# Altium PCB ALCT_MEZ_LX100.PcbDoc (part 3 of 10) (continued)
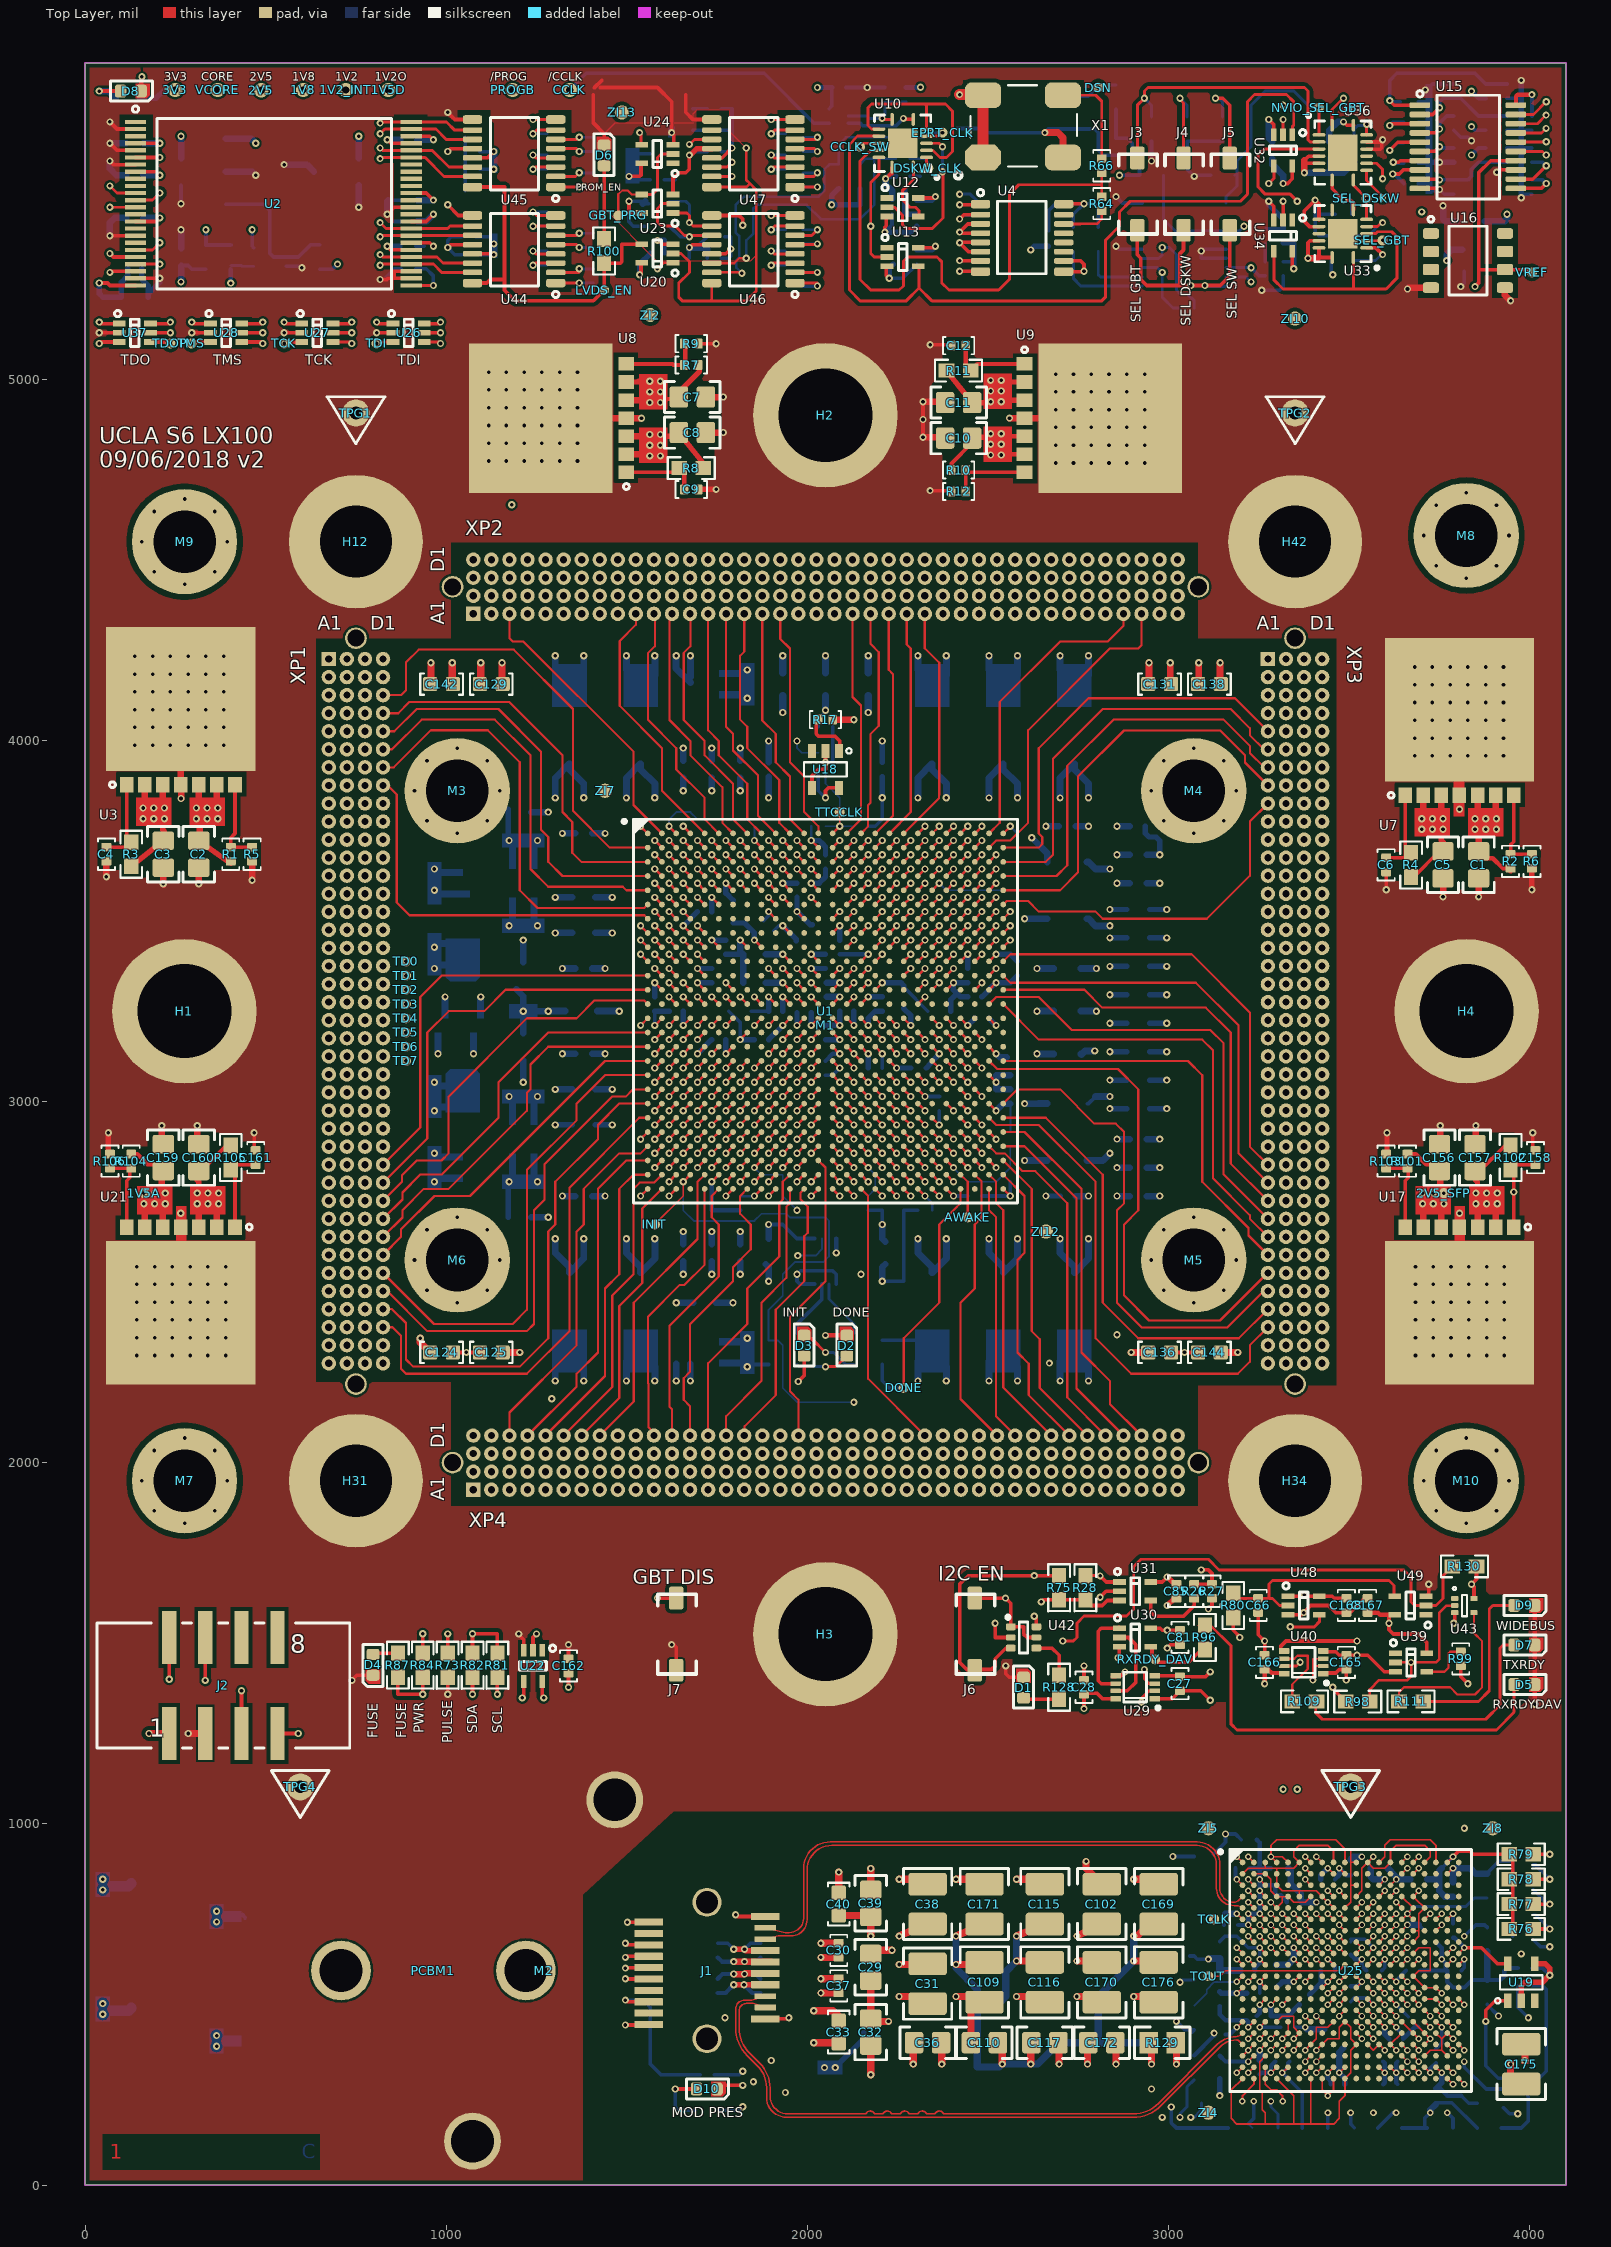
[diagram p0: Top Layer view]
## Nets (pads, with @x,y where several pads share a name; then routed paths per layer and width w, separated by ;. In a path a pad name is that pad's centre, name@x,y a point inside that pad or via, vN(x,y) a via of type N, cw(c..) or ccw(c..) an arc to the next point about the centre after c; other vN are vias at no path point) (continued)
  Top Layer w18: U21.6@165.16,2652.17 v1@165.16,2718.9 ; C159.1@212.21,2807.28 212.21,2752.36 v1@215.16,2749.41 ; U21.5@215.16,2652.17 215.16,2726.57
  Top Layer w20: v1(2746.06,521.85) C170.1@2820.87,521.85 ; v1(3021.65,334.84) R129.1@3021.65,409.65
  Mid-Layer 4 w15: v1(222.05,2746.26) 290.95,2815.16 473.76,2815.16 580.71,2922.11 580.71,4252.13 580.71,4399.77 521.65,4458.82 521.65,4695.04 580.71,4754.1 925.2,4754.1 994.09,4685.2 1614.17,4685.2 1696.23,4767.26 1696.23,5282.28 1614.17,5364.34 1614.17,5482.45 1584.65,5511.97 1584.65,5708.86 1634.67,5758.89 1947.74,5758.89 1968.24,5738.39 2066.93,5738.39 2125.98,5679.33 2263.78,5679.33 2303.15,5718.7 2549.21,5718.7 2618.11,5649.8 2716.54,5649.8 2755.91,5689.17 3415.35,5689.17 3464.57,5738.39 3651.58,5738.39 3671.26,5718.7 3671.26,5590.75 3648.26,5567.75 v1(3620.37,5567.75)
  Mid-Layer 8 w50: v1(2746.06,521.85) 2834.65,521.85 v1(3021.65,334.84)
  Bottom Layer w10: v1(3620.37,5567.75) 3625.36,5567.75 C163.1@3651.58,5541.54
  Bottom Layer w15: v1(2076.77,325) 2155.51,403.74 L4.2@2155.51,421.46
  other v1: 2047.24,325 162.99,2716.73 192.52,2716.73 222.05,2716.73 162.99,2746.26 192.52,2746.26
+1V8: 1V8.1 C7.1 C16.1 C53.1 C54.1 C55.1 C56.1 R7.1 U2.4 U2.15 U2.34 U8.5 U8.6 U15.4 | length 4799.1
  Top Layer w10: U2.15@139.76,5436.42 196.85,5436.42 v1(206.69,5446.26) ; U2.4@139.76,5652.95 v1(206.69,5652.95) ; U2.34@903.54,5436.42 944.88,5436.42 v1(964.57,5456.1) ; U15.4@3695.87,5681.5 3739.17,5681.5 v1(3750,5692.32)
  Top Layer w12: 1609.65,4941.93 1612.6,4944.88 C7.1@1644.09,4944.88
  Top Layer w15: U8.6@1498.82,4991.93 1530.71,4991.93 1532.87,4994.09 v1(1563.39,4994.09) ; 1540.55,4941.93 1547.44,4935.04 v1(1563.39,4935.04) ; C7.1@1644.09,4950.39 1644.09,4964.31 1701.18,5021.4 R7.1@1701.18,5030.67
  Top Layer w18: U8.5@1498.82,4941.93 1540.55,4941.93
  Mid-Layer 4 w20: v4(603.54,5800.39) 639.96,5836.81 3759.84,5836.81 3789.37,5807.28 3789.37,5692.32 v1(3750,5692.32)
  Mid-Layer 6 w18: v4(603.54,5800.39) 603.54,5695.87 626.77,5672.64 v1(757.87,5672.64) 757.87,5571.06 807.09,5521.85 866.14,5521.85 931.89,5456.1 v1(964.57,5456.1)
  Bottom Layer w10: v1(3750,5692.32) 3750,5708.86 3769.69,5728.54 C16.1@3789.37,5728.54
  Bottom Layer w18: C55.1@161.42,5446.26 v1(206.69,5446.26) ; C53.1@161.42,5652.95 v1(206.69,5652.95) ; C56.1@757.87,5611.61 v1(757.87,5672.64) ; C54.1@919.29,5436.42 944.88,5436.42 v1(964.57,5456.1)
  other v1: 1592.91,4935.04 1563.39,4964.57 1592.91,4964.57 1592.91,4994.09
+2V5: 2V5.1 C2.1 C57.1 C58.1 C261.1 C262.1 C263.1 C264.1 C265.1 C266.1 C267.1 C361.1 C362.1 C363.1 C364.1 C365.1 C461.1 R1.1 R14.1 U1.AA6 U1.AA10 U1.AA16 U1.AA21 U1.F6 U1.F21 U1.G12 U1.G15 U1.J9 U1.J18 U1.K13 U1.L5 U1.L22 U1.M17 U1.N10 U1.U6 U1.U14 U1.V9 U1.Y19 U2.24 U3.5 U3.6 U26.6 U27.6 U28.6 U37.1 U37.5 | length 2129.5
  Top Layer w7: v1(1695.67,3368.11) U1.L5@1715.35,3348.42 ; v1(1735.04,2935.04) U1.AA6@1754.72,2954.72 ; v1(1735.04,3092.52) U1.U6@1754.72,3112.2 ; v1(1735.04,3564.96) U1.F6@1754.72,3545.28 ; v1(1853.15,3053.15) U1.V9@1872.83,3072.83 ; v1(1853.15,3446.85) U1.J9@1872.83,3427.16 ; v1(1892.52,2935.04) U1.AA10@1912.2,2954.72 ; v1(1892.52,3289.37) U1.N10@1912.2,3269.68 ; v1(1971.26,3525.59) U1.G12@1990.94,3505.91 ; v1(2010.63,3407.48) U1.K13@2030.31,3387.79 ; U1.U14@2069.68,3112.2 v1(2089.37,3092.52) ; U1.G15@2109.05,3505.91 v1(2128.74,3525.59) ; U1.AA16@2148.43,2954.72 v1(2168.11,2935.04) ; U1.M17@2187.8,3309.05 v1(2207.48,3328.74) ; U1.J18@2227.17,3427.16 v1(2246.85,3446.85) ; U1.Y19@2266.54,2994.09 v1(2286.22,2974.41) ; U1.AA21@2345.28,2954.72 v1(2364.96,2935.04) ; U1.F21@2345.28,3545.28 v1(2364.96,3564.96) ; U1.L22@2384.65,3348.42 v1(2404.33,3368.11)
  Top Layer w10: v1(39.37,5157.68) 43.31,5153.74 U37.1@94.49,5153.74 ; v1(39.37,5265.94) 62.2,5265.94 68.9,5259.25 U2.24@139.76,5259.25 ; U37.5@181.1,5128.15 v1(236.22,5128.15) ; U28.6@433.73,5153.74 488.19,5153.74 v1(492.13,5157.68) ; U27.6@686.35,5153.74 734.25,5153.74 v1(738.19,5157.68) ; U26.6@938.98,5153.74 980.32,5153.74 v1(984.25,5157.68)
  Top Layer w12: v1@315.16,3782.87 315.16,3766.14 318.11,3763.19 ; 315.16,3802.56 357.48,3802.56 v1@365.16,3810.24 ; R1.1@403.54,3668.7 R1.1@406.69,3668.7
  Top Layer w15: C2.1@318.11,3721.85 C2.1@314.96,3721.85 400.75,3660.84 R1.1@403.54,3658.86
  Top Layer w18: v1@315.16,3812.4 U3.5@315.16,3876.97 ; C2.1@318.11,3721.85 318.11,3763.19 ; v1@365.16,3810.24 U3.6@365.16,3876.97
  Bottom Layer w10: C363.1@1845.28,3250 C264.1@1892.52,3250 ; C267.1@2050,3072.83 2069.69,3072.83 v1@2089.37,3092.52 ; C362.1@2266.54,3320.87 2266.54,3316.93 C364.1@2333.46,3250 ; v1(2364.96,2935.04) C265.1@2364.96,2974.41 ; v1(3838.58,5699.02) 3848.43,5689.17 R14.1@3877.95,5689.17
  Bottom Layer w15: v1(39.37,5265.94) 39.37,5236.42 49.21,5226.57 C58.1@100.39,5226.57 100.39,5267.91 118.11,5285.63 C57.1@118.11,5305.32 ; v1(1695.67,3368.11) C262.1@1735.04,3368.11 ; C263.1@1735.04,3525.59 v1(1735.04,3564.96) ; C361.1@1794.09,3494.09 1825.59,3494.09 1853.15,3466.54 v1(1853.15,3446.85) ; C264.1@1892.52,3250 v1(1892.52,3289.37) ; C266.1@1971.26,3564.96 v1(1971.26,3525.59) 2008.04,3488.81 C365.1@2013.22,3488.81 ; v1(2010.63,3407.48) C261.1@2050,3407.48 ; v1(2207.48,3328.74) 2258.66,3328.74 C362.1@2266.54,3320.87
  other v1: 1174.02,3486.22 1252.76,3486.22 308.27,3782.87 337.8,3782.87 367.32,3782.87 308.27,3812.4 337.8,3812.4 367.32,3812.4
  other v4: 488.15,5799.49
+2V5/2: C14.1 R14.2 R16.1 U15.2 | length 289.9
  Top Layer w10: U15.2@3695.87,5732.68 3731.3,5732.68 v1(3750,5751.38)
  Bottom Layer w10: v1(3750,5751.38) 3750,5767.91 3759.84,5777.76 C14.1@3789.37,5777.76 3809.06,5777.76 3858.27,5728.54 R14.2@3877.95,5728.54 R16.1@3937.01,5728.54
+2V5/2_SFP: C164.1 R107.2 R108.1 U15.9 | length 274
  Top Layer w10: U15.9@3695.87,5553.54 3747.83,5553.54 v1(3750,5551.38)
  Bottom Layer w10: v1(3750,5551.38) C164.1@3789.37,5551.38 3828.74,5551.38 3838.58,5561.22 3838.58,5580.91 3858.27,5600.59 R107.2@3877.95,5600.59 R108.1@3937.01,5600.59
+2V5_SFP: 2V5_SFP.1 C5.1 C29.1 C30.1 C36.1 C37.1 C156.1 C160.1 L1.2 L2.2 R4.1 R25.2 R101.1 R105.1 R107.1 U7.2 U7.3 U17.5 U17.6 U21.2 U21.3 | length 3657.8
  Top Layer w10: C160.1@310.63,2807.28 320.77,2807.28 391.63,2878.15 R105.1@399.21,2878.15 ; R4.1@3671.26,3621.46 3678.84,3621.46 3749.7,3692.32 C5.1@3759.84,3692.32
  Top Layer w12: R101.1@3661.42,2854.53 3684.65,2854.53 3712.99,2826.18 3733.46,2826.18 C156.1@3752.36,2807.28 ; v1@3705.32,2718.9 3712.99,2726.57 3755.32,2726.57 2V5_SFP.1@3755.32,2749.41
  Top Layer w15: C160.1@310.63,2807.28 310.63,2781.69 315.16,2777.17 315.16,2726.57 359.84,2726.57 v1@365.16,2721.26 ; v1@3705.32,3778.35 3710.63,3773.03 3755.32,3773.03 3755.32,3722.44 3759.84,3717.91 C5.1@3759.84,3692.32
  Top Layer w18: U21.3@315.16,2652.17 315.16,2726.57 ; U21.2@365.16,2652.17 v1@365.16,2721.26 ; U17.6@3705.32,2652.17 v1@3705.32,2718.9 ; v1@3705.32,3778.35 U7.2@3705.32,3847.44 ; C156.1@3752.36,2807.28 3752.36,2752.36 2V5_SFP.1@3755.32,2749.41 ; U17.5@3755.32,2652.17 3755.32,2726.57 ; 3755.32,3773.03 U7.3@3755.32,3847.44
  Top Layer w20: v1(2037.4,571.06) C37.1@2090.55,571.06 ; v1(2037.4,630.12) C30.1@2086.61,630.12 C30.1@2090.55,630.12 ; C29.1@2181.1,649.8 v1(2234.25,649.8) ; v1(2372.05,334.84) C36.1@2372.05,409.65
  Mid-Layer 6 w15: v1(3700.79,3782.87) 3697.64,3782.87 3612.21,3868.31 3612.21,5118.31 3808.91,5315.01 3808.91,5393.75 3838.58,5423.43 v1(3838.58,5620.28)
  Bottom Layer w10: R25.2@1742.13,305.32 1811.02,305.32 v1(1820.87,315.16) ; v1(3838.58,5620.28) 3858.27,5639.96 R107.1@3877.95,5639.96
  Bottom Layer w30: 59.06,482.48 120.08,482.48 L1.2@127.95,490.35 ; 59.06,826.97 120.08,826.97 L2.2@127.95,834.84
  other v1: 49.21,472.64 49.21,502.17 49.21,817.13 49.21,846.65 310.63,2716.73 340.16,2716.73 369.69,2716.73 3703.15,2716.73 3732.68,2716.73 3762.21,2716.73 310.63,2746.26 340.16,2746.26 369.69,2746.26 3703.15,2746.26 3732.68,2746.26 3762.21,2746.26 3700.79,3753.35 3730.32,3753.35 3759.84,3753.35 3730.32,3782.87 3759.84,3782.87
+3V3: 3V3.1 C3.1 C8.1 C22.1 C23.1 C24.1 C26.1 C28.1 C43.1 C44.1 C45.1 C46.1 C48.1 C49.1 C50.1 C51.1 C52.1 C59.1 C61.1 C62.1 C63.1 C64.1 C65.1 C67.1 C68.1 C69.1 C70.1 C71.1 C72.1 C73.1 C74.1 C75.1 C76.1 C77.1 C78.1 C79.1 C80.1 C81.1 C82.1 C83.1 C84.1 C85.1 C86.1 C120.1 C121.1 C122.1 C126.1 C127.1 C128.1 C132.1 C134.1 C135.1 C139.1 C140.1 C141.1 C157.1 C162.1 C166.1 C167.1 C201.1 C202.1 C203.1 C204.1 C205.1 C211.1 C212.1 C213.1 C214.1 C215.1 C221.1 C222.1 C223.1 C224.1 C225.1 C231.1 C232.1 C233.1 C234.1 C235.1 C241.1 C242.1 C243.1 C244.1 C245.1 C251.1 C252.1 C253.1 C254.1 C255.1 C301.1 C302.1 C311.1 C312.1 C313.1 C321.1 C322.1 C331.1 C332.1 C341.1 C342.1 C351.1 C401.1 C411.1 C421.1 C431.1 C441.1 C451.1 CT1.1 CT2.1 CT3.1 CT4.1 CT5.1 CT6.1 D3.A J3.2 J4.2 J5.2 R3.1 R8.1 R13.1 R19.1 R24.2 R29.1 R31.1 R32.1 R33.1 R34.1 R37.2 R45.1 R46.1 R47.1 R54.1 R55.1 R56.1 R57.1 R59.1 R89.1 R91.1 R94.1 R98.1 R102.1 R110.1 R130.2 U1.AB14 U1.AB23 U1.AC6 U1.AC10 U1.AC18 U1.AC21 U1.AD2 U1.AD25 U1.AE8 U1.AE12 U1.AE16 U1.AE20 U1.B3 U1.B7 U1.B11 U1.B15 U1.B19 U1.C22 U1.D2 U1.D9 U1.D17 U1.D25 U1.E13 U1.F4 U1.F23 U1.G10 U1.G18 U1.H2 U1.H14 U1.H25 U1.J6 U1.J21 U1.K4 U1.K23 U1.M2 U1.M7 U1.M20 U1.M25 U1.P4 U1.P9 U1.P23 U1.T2 U1.T7 U1.T25 U1.U18 U1.V21 U1.W4 U1.W6 U1.W23 U1.Y2 U1.Y12 U1.Y17 U1.Y25 U2.8 U2.30 U2.38 U2.45 U3.2 U3.3 U4.1 U4.7 U4.9 U4.10 U4.16 U5.3 U6.5 U8.2 U8.3 U10.14 U12.5 U13.5 U14.5 U15.20 U17.2 U17.3 U18.2 U18.4 U19.2 U19.4 U20.5 U22.5 U23.5 U24.5 U26.1 U26.5 U27.1 U27.5 U28.1 U28.5 U29.8 U30.5 U31.5 U32.5 U33.9 U33.10 U33.12 U33.13 U33.14 U34.5 U35.10 U36.16 U37.6 U38.5 U39.5 U40.8 U41.1 U41.5 U41.8 U42.6 U43.5 U44.13 U45.13 U46.13 U47.13 U49.5 X1.1 X1.4 XP1.A2 XP1.A39 XP1.B2 XP1.B39 XP1.C21 XP2.B21 XP2.C2 XP2.C39 XP2.D2 XP2.D39 XP3.A2 XP3.A39 XP3.B2 XP3.B39 XP3.C21 XP4.B21 XP4.C2 XP4.C39 XP4.D2 XP4.D39 | length 20323.1
  Top Layer w7: v1(1577.56,2816.93) U1.AD2@1597.24,2836.61 ; v1(1577.56,2974.41) U1.Y2@1597.24,2994.09 ; v1(1577.56,3131.89) U1.T2@1597.24,3151.57 ; v1(1577.56,3328.74) U1.M2@1597.24,3309.05 ; v1(1577.56,3486.22) U1.H2@1597.24,3466.54 ; v1(1577.56,3643.7) U1.D2@1597.24,3624.02 ; v1(1616.93,3722.44) U1.B3@1636.61,3702.76 ; v1(1656.3,3013.78) U1.W4@1675.98,3033.46 ; v1(1656.3,3210.63) U1.P4@1675.98,3230.31 ; v1(1656.3,3407.48) U1.K4@1675.98,3387.79 ; v1(1656.3,3564.96) U1.F4@1675.98,3545.28 ; v1(1735.04,2856.3) U1.AC6@1754.72,2875.98 ; v1(1735.04,3013.78) U1.W6@1754.72,3033.46 ; v1(1735.04,3446.85) U1.J6@1754.72,3427.16 ; v1(1774.41,3131.89) U1.T7@1794.09,3151.57 ; v1(1774.41,3328.74) U1.M7@1794.09,3309.05 ; v1(1774.41,3722.44) U1.B7@1794.09,3702.76 ; v1(1813.78,2777.56) U1.AE8@1833.46,2797.24 ; v1(1853.15,3210.63) U1.P9@1872.83,3230.31 ; v1(1853.15,3643.7) U1.D9@1872.83,3624.02 ; v1(1892.52,2856.3) U1.AC10@1912.2,2875.98 ; v1(1892.52,3525.59) U1.G10@1912.2,3505.91 ; v1(1931.89,3722.44) U1.B11@1951.57,3702.76 ; v1(1971.26,2777.56) U1.AE12@1990.94,2797.24 ; v1(1971.26,2974.41) U1.Y12@1990.94,2994.09 ; v1(2010.63,3604.33) U1.E13@2030.31,3584.65 ; U1.AB14@2069.68,2915.35 v1(2089.37,2895.67) ; U1.H14@2069.68,3466.54 v1(2089.37,3486.22) ; U1.B15@2109.05,3702.76 v1(2128.74,3722.44) ; U1.AE16@2148.43,2797.24 v1(2168.11,2777.56) ; U1.Y17@2187.8,2994.09 v1(2207.48,2974.41) ; U1.D17@2187.8,3624.02 v1(2207.48,3643.7) ; U1.AC18@2227.17,2875.98 v1(2246.85,2856.3) ; U1.U18@2227.17,3112.2 v1(2246.85,3092.52) ; U1.G18@2227.17,3505.91 v1(2246.85,3525.59) ; U1.B19@2266.54,3702.76 v1(2286.22,3722.44) ; U1.AE20@2305.91,2797.24 v1(2325.59,2777.56) ; U1.M20@2305.91,3309.05 v1(2325.59,3328.74) ; U1.AC21@2345.28,2875.98 v1(2364.96,2856.3) ; U1.V21@2345.28,3072.83 v1(2364.96,3053.15) ; U1.J21@2345.28,3427.16 v1(2364.96,3446.85) ; U1.C22@2384.65,3663.39 v1(2404.33,3683.07) ; U1.AB23@2424.02,2915.35 v1(2443.7,2895.67) ; U1.W23@2424.02,3033.46 v1(2443.7,3013.78) ; U1.P23@2424.02,3230.31 v1(2443.7,3210.63) ; U1.K23@2424.02,3387.79 v1(2443.7,3407.48) ; U1.F23@2424.02,3545.28 v1(2443.7,3564.96) ; U1.AD25@2502.76,2836.61 v1(2522.44,2816.93) ; U1.Y25@2502.76,2994.09 v1(2522.44,2974.41) ; U1.T25@2502.76,3151.57 v1(2522.44,3131.89) ; U1.M25@2502.76,3309.05 v1(2522.44,3328.74) ; U1.H25@2502.76,3466.54 v1(2522.44,3486.22) ; U1.D25@2502.76,3624.02 v1(2522.44,3643.7)
  Top Layer w10: U2.8@139.76,5574.21 196.85,5574.21 v1(206.69,5564.37) ; U37.6@181.1,5153.74 232.28,5153.74 v1(236.22,5157.68) ; C3.1@216.54,3721.85 C3.1@219.69,3721.85 ; v1(295.28,5157.68) 299.21,5153.74 U28.1@347.11,5153.74 ; U28.5@433.73,5128.15 v1(492.13,5128.15) ; v1(551.18,5157.68) 555.12,5153.74 U27.1@599.74,5153.74 ; U27.5@686.35,5128.15 v1(738.19,5128.15) ; v1(807.09,5157.68) 811.02,5153.74 U26.1@852.36,5153.74 ; v1(836.61,5367.52) 846.46,5357.68 U2.30@903.54,5357.68 ; v1(836.61,5662.8) 846.46,5652.95 U2.45@903.54,5652.95 ; U2.38@903.54,5515.16 944.88,5515.16 v1(964.57,5495.47) ; U26.5@938.98,5128.15 v1(984.25,5128.15) ; U44.13@1072.83,5346.65 1129.72,5346.65 v3(1131.69,5344.69) ; U45.13@1072.83,5612.4 1114.37,5612.4 v3@1131.89,5629.92 ; U22.5@1265.75,1393.9 1265.75,1352.56 v1(1269.69,1348.62) ; v1(1338.58,1378.15) C162.1@1338.58,1417.52 ; v1(1505.91,5492.32) 1505.91,5460.04 U23.5@1539.37,5460.04 ; v1(1505.91,5561.22) 1535.43,5561.22 1539.37,5565.16 U24.5@1539.37,5597.83 ; v1(1535.43,5288.78) 1539.37,5292.72 U20.5@1539.37,5322.24 ; U46.13@1735.24,5346.65 1773.82,5346.65 v3(1787.5,5360.33) ; U47.13@1735.24,5612.4 1763.98,5612.4 v1(1791.34,5639.76) ; v1(1971.26,2521.65) v1@1972.24,2522.64 ; v3(1974.6,2224.69) 1990.95,2241.04 D3.A@1990.95,2295.28 ; U18.4@2012.6,3868.11 2012.6,3901.57 2030.32,3919.29 2050,3919.29 v1(2050,3938.98) U18.2@2050,3970.47 ; v1(2216.54,5554.53) 2231.3,5569.29 2234.25,5569.29 U10.14@2234.25,5587.01 ; U13.5@2309.06,5363.58 2350.39,5363.58 v1(2354.33,5367.52) ; U12.5@2309.06,5501.38 2350.39,5501.38 v1(2354.33,5505.32) ; v1(2421.26,5328.15) 2478.35,5328.15 U4.7@2479.33,5327.17 ; v1(2421.26,5482.48) 2477.17,5482.48 U4.1@2479.33,5484.65 ; v3(2627.95,1575) 2633.86,1569.09 U42.6@2633.86,1545.47 ; U4.16@2708.66,5485.63 v1(2765.75,5485.63) ; U4.9@2709.65,5297.64 2764.76,5297.64 v1(2765.75,5298.62) 2765.75,5318.31 2756.89,5327.17 U4.10@2709.65,5327.17 ; v1(2765.75,1319.09) C28.1@2765.75,1358.46 ; C28.1@2765.75,1361.61 2801.97,1361.61 2816.93,1346.65 U29.8@2853.35,1346.65 ; J3.2@2913.39,5412.01 2913.39,5344.69 2923.23,5334.84 2923.23,5275.79 2939.76,5259.25 3031.5,5259.25 ; U30.5@2952.76,1541.54 2976.38,1541.54 2982.28,1535.63 v1(2996.06,1535.63) C81.1@3025.59,1535.63 ; U31.5@2952.76,1669.49 2982.76,1669.49 v1@2996.3,1683.03 ; J4.2@3041.34,5412.01 3041.34,5357.68 3031.5,5347.83 3031.5,5259.25 ; J5.2@3169.29,5412.01 3169.29,5285.63 3142.91,5259.25 v1(3100.39,5259.25) v1(3061.02,5259.25) 3031.5,5259.25 ; v1(3316.93,5541.54) 3329.71,5541.54 3342.52,5554.35 U32.5@3342.52,5587.99 ; U34.5@3342.52,5351.77 3342.52,5309.25 v1(3346.46,5305.32) ; v1(3385.83,5334.84) 3385.83,5377.36 3391.34,5382.87 U33.12@3416.34,5382.87 ; 3416.34,5338.98 U33.13@3416.34,5363.19 ; U33.10@3416.34,5422.24 3390.16,5422.24 3375.98,5436.42 3375.98,5465.94 v1(3405.51,5495.47) 3416.34,5484.65 U33.9@3416.34,5441.93 ; 3418.7,5336.61 U33.14@3452.76,5336.61 ; v1(3454.66,1377.95) 3454.66,1374.02 R98.1@3490.1,1338.58 ; v1(3484.25,5712.01) 3493.5,5702.76 U36.16@3511.81,5702.76 ; v1(3610.24,1555.31) 3610.24,1537.34 3621.99,1525.59 3690.88,1525.59 3714.51,1501.97 U39.5@3714.51,1472.44 ; U43.5@3845.41,1624.02 3845.41,1656.5 v1(3838.52,1663.39) 3852.36,1677.23 R130.2@3852.36,1712.6 ; C157.1@3850.79,2807.28 3860.93,2807.28 3931.79,2878.15 R102.1@3939.37,2878.15
  Top Layer w12: v1(3265.75,1387.99) C166.1@3265.75,1427.36 3275.59,1427.36 3285.43,1417.52 U40.8@3311.02,1417.52 ; C167.1@3551.18,1584.84 3579.72,1584.84 3585.63,1578.94 U49.5@3610.24,1578.94 ; v1(3610.24,1555.31) U49.5@3610.24,1578.94 ; U49.5@3624.02,1578.94 U49.5@3610.24,1578.94 ; U15.20@3961.61,5758.27 3961.61,5782.68 3966.54,5787.6 v1(4005.91,5787.6)
  Top Layer w15: R3.1@127.95,3650.98 C3.1@216.54,3721.85 ; v1@165.16,3807.87 170.47,3802.56 215.16,3802.56 215.16,3751.97 219.69,3747.44 C3.1@219.69,3721.85 ; v1@1567.91,4791.93 1573.23,4797.24 1573.23,4841.93 1623.82,4841.93 C8.1@1628.35,4846.46 ; C8.1@1644.09,4851.97 R8.1@1714.96,4763.39 ; v1@2996.54,1683.27 C85.1@3016.22,1663.58 ; C157.1@3850.79,2807.28 3850.79,2781.69 3855.32,2777.17 3855.32,2726.57 3900,2726.57 v1@3905.32,2721.26 ; U19.2@3976.38,510.04 3976.38,551.38 3986.22,561.22 4035.43,561.22 v1(4055.12,580.91) 4055.12,600.59 4043.31,612.4 U19.4@4013.78,612.4
  Top Layer w18: v1@165.16,3807.87 U3.2@165.16,3876.97 ; 215.16,3802.56 U3.3@215.16,3876.97 ; U8.2@1498.82,4791.93 v1@1567.91,4791.93 ; U8.3@1498.82,4841.93 1573.23,4841.93 ; v1(3385.83,5334.84) 3412.2,5334.84 3416.34,5338.98 ; U17.3@3855.32,2652.17 3855.32,2726.57 ; U17.2@3905.32,2652.17 v1@3905.32,2721.26
  Top Layer w30: v1(2421.26,5787.6) 2478.15,5787.6 2481.3,5790.75 X1.4@2486.22,5785.83 X1.1@2486.22,5613.58
  Mid-Layer 4 w15: v1(1820.87,216.73) 1860.24,216.73 1912.76,164.2 2299.83,164.2 2332.68,197.05 2332.68,1210.83 2440.95,1319.09 v1(2765.75,1319.09) 2765.75,1344.68 2736.22,1374.21 2736.22,1752.17 2814.96,1830.91 2942.91,1830.91 ; XP3.B39@2975,1975 XP3.A39@2975,1925 2975,1900 2942.91,1867.91 2942.91,1830.91 ; v1(2996.06,1535.63) 2962.6,1569.09 2962.6,1683.27 ; v1(2996.06,1683.27) 2962.6,1683.27 ; 2942.91,1830.91 2942.91,1712.8 2962.6,1693.11 2962.6,1683.27
  Mid-Layer 4 w30: XP4.D39@3425,2325 3462.6,2325 3602.36,2185.24 3602.36,1899.55 v1(3838.52,1663.39) 3966.54,1535.37 3966.54,718.7 4015.75,669.49 4015.75,620.28 v1(4055.12,580.91)
  Bottom Layer w6: R34.1@2561.81,2915.35 C204.1@2561.81,2994.09
  Bottom Layer w10: C43.1@265.75,5314.37 285.43,5314.37 295.28,5304.53 R31.1@334.65,5304.53 ; v1(462.6,5413.58) 462.6,5367.52 U6.5@466.54,5363.58 ; R29.1@649.61,5304.53 685.04,5304.53 v1(698.82,5318.31) ; C74.1@1082.48,5393.9 1131.69,5393.9 ; C72.1@1092.32,5344.69 v3(1131.69,5344.69) ; C75.1@1092.32,5580.71 v3(1131.69,5580.71) ; C73.1@1092.32,5629.92 v3@1131.69,5629.92 ; 1515.75,5551.38 C86.1@1564.96,5551.38 ; 1532.28,5623.43 C77.1@1564.96,5623.43 ; R56.1@1544.49,5485.63 R56.1@1561.02,5485.63 ; R57.1@1551.18,5423.43 1517.72,5423.43 1505.91,5435.24 v1(1505.91,5492.32) R56.1@1551.18,5492.32 ; R24.2@1755.91,206.89 1811.02,206.89 v1(1820.87,216.73) ; C71.1@1761.61,5334.65 1781.5,5334.65 1787.5,5340.65 v3(1787.5,5360.33) 1787.5,5393.7 C68.1@1771.46,5393.7 ; C70.1@1761.61,5629.92 1781.5,5629.92 v1(1791.34,5639.76) 1791.34,5688.98 ; C69.1@1761.81,5688.98 1791.34,5688.98 ; C46.1@1761.81,5748.03 1791.34,5748.03 1791.34,5688.98 ; v1(1833.46,2265.75) 1839.37,2271.65 R33.1@1892.52,2271.65 ; C253.1@1878.6,3500.14 1892.52,3514.06 v1(1892.52,3525.59) ; v1(1892.52,2659.45) 1931.89,2659.45 1970.87,2620.47 U41.1@2020.47,2620.47 ; U41.8@2020.47,2494.49 1978.74,2494.49 1971.26,2501.97 v1(1971.26,2521.65) 1981.1,2531.5 2069.69,2531.5 2079.53,2521.65 U41.5@2079.53,2494.49 ; v1(2050,3938.98) 2069.69,3938.98 U14.5@2069.69,3965.55 2069.69,3980.31 C78.1@2069.69,4037.4 ; U38.5@2060.04,5748.23 2066.93,5755.12 C76.1@2066.93,5807.28 ; R37.2@2168.11,2698.82 2207.48,2698.82 v1(2207.48,2659.45) ; R91.1@2168.11,3761.81 2187.8,3761.81 2207.48,3781.5 v1(2207.48,3840.55) ; R32.1@2207.48,2338.58 2339.37,2338.58 CT6.1@2345.28,2332.68 ; C64.1@2667.32,5410.83 2667.32,5465.94 2687.01,5485.63 v1(2765.75,5485.63) ; R46.1@2736.22,5420.67 2736.22,5456.1 v1(2765.75,5485.63) ; R47.1@2805.12,5420.67 2805.12,5475.79 2795.28,5485.63 v1(2765.75,5485.63) ; R89.1@2854.33,5747.44 2854.33,5666.73 2885.83,5666.73 2899.61,5652.95 2899.61,5610.43 2919.29,5590.75 R45.1@2919.29,5564.37 v1(2864.17,5564.37) ; v1(3100.39,5259.25) 3102.36,5257.28 U35.10@3159.45,5257.28 ; C61.1@3316.93,5325 3346.46,5325 ; v1(3405.51,5495.47) 3405.51,5465.94 ; R59.1@3450.79,5397.05 3415.35,5397.05 3405.51,5406.89 3405.51,5465.94 ; C59.1@3460.63,5456.1 3415.35,5456.1 3405.51,5465.94 ; C23.1@3875.98,5434.45 C23.1@3875.98,5436.42 ; C26.1@4005.91,600.59 4035.43,600.59 v1(4055.12,580.91)
  Bottom Layer w12: v1(3838.58,5797.44) 3858.27,5777.76 R13.1@3877.95,5777.76 ; C22.1@4005.91,5728.54 v1(4005.91,5787.6)
  Bottom Layer w15: R110.1@151.58,5777.76 196.85,5777.76 219.49,5800.39 v4(249.21,5800.39) v4@246.06,5797.24 ; v1(836.61,5367.52) C49.1@872.05,5367.52 ; C341.1@1412.2,2935.04 v1(1459.45,2935.04) ; v1(1535.43,5288.78) 1535.43,5318.31 C84.1@1564.96,5347.83 ; C243.1@1577.56,3289.37 v1(1577.56,3328.74) ; v1(1656.3,3210.63) C234.1@1656.3,3250 ; v1(1735.04,3446.85) C223.1@1774.41,3446.85 ; v1(1774.41,3131.89) C241.1@1774.41,3171.26 ; v1(2010.63,3604.33) 2032.28,3604.33 2050,3622.05 C213.1@2050,3643.7 ; v1(2027.56,5807.28) C76.1@2066.93,5807.28 ; R55.1@2086.61,5527.76 2066.93,5508.07 v1(2066.93,5482.48) 2145.67,5482.48 R54.1@2145.67,5527.76 ; C232.1@2089.37,3446.85 v1(2089.37,3486.22) ; v1(2207.48,3840.55) C301.1@2207.48,3887.8 C301.1@2207.48,3899.61 ; v1(2216.54,5554.53) 2223.23,5561.22 C65.1@2244.09,5561.22 ; v1@2246.85,3092.52 C214.1@2286.22,3092.52 ; R94.1@2273.62,5807.28 2312.28,5807.28 v1(2313,5808) ; C80.1@2303.15,5357.68 2344.49,5357.68 v1(2354.33,5367.52) ; C79.1@2303.15,5495.47 2344.49,5495.47 v1(2354.33,5505.32) ; v1(2443.7,3210.63) C203.1@2463.39,3230.32 ; C242.1@2443.7,3368.11 v1(2443.7,3407.48) ; C252.1@2483.07,3289.37 v1(2522.44,3328.74) 2561.81,3328.74 C202.1@2581.5,3348.43 ; v1(2660.24,2738.19) C251.1@2699.61,2738.19 ; v1(2837.4,2980.32) C351.1@2884.65,2980.32 ; v1(2837.4,3059.06) C321.1@2884.65,3059.06 ; v1(2837.4,3137.8) C132.1@2884.65,3137.8 ; v1(2837.4,3216.54) C128.1@2884.65,3216.54 ; v1(2837.4,3374.02) C134.1@2884.65,3374.02 ; v1(2837.4,3452.76) C135.1@2884.65,3452.76 ; v1(2837.4,3531.5) C141.1@2884.65,3531.5 ; C82.1@3316.93,5377.36 3343.31,5377.36 3346.46,5374.21 3346.46,5325 v1(3346.46,5305.32)
  Bottom Layer w18: C48.1@161.42,5564.37 v1(206.69,5564.37) ; v1(265.75,5269.09) C43.1@265.75,5314.37 ; C52.1@265.75,5611.61 v1(265.75,5672.64) ; U5.3@389.76,5664.76 460.63,5664.76 v1(472.44,5652.95) ; v1(836.61,5662.8) C51.1@872.05,5662.8 ; C50.1@919.29,5495.47 v1(964.57,5495.47) ; v1(1213.39,3053.15) C313.1@1213.39,3114.17 ; C312.1@1213.39,3385.83 v1(1213.39,3446.85) ; C139.1@1235.04,2679.13 v1(1282.28,2679.13) ; C121.1@1235.04,3801.18 v1(1282.28,3801.18) ; C221.1@1404.33,2738.19 v1(1439.76,2738.19) ; C235.1@1404.33,3131.89 v1(1439.76,3131.89) ; C225.1@1404.33,3368.11 v1(1439.76,3368.11) ; C245.1@1404.33,3742.13 v1(1439.76,3742.13) ; C122.1@1412.2,3033.46 v1(1459.45,3033.46) ; C126.1@1412.2,3466.54 v1(1459.45,3466.54) ; C331.1@1412.2,3564.96 v1(1459.45,3564.96) ; R56.1@1544.49,5485.63 R56.1@1551.18,5492.32 ; C44.1@1656.3,2604.33 v1(1656.3,2639.76) ; v1(1656.3,3860.24) C215.1@1656.3,3895.67 ; C45.1@1735.04,2604.33 v1(1735.04,2639.76) ; C201.1@1735.04,3942.91 v1(1735.04,3978.35) ; C127.1@1746.85,2442.91 v1(1794.09,2442.91) ; C222.1@1813.78,2604.33 v1(1813.78,2639.76) ; v1(1813.78,3860.24) C24.1@1813.78,3895.67 ; C311.1@1892.52,2620.08 v1(1892.52,2659.45) ; v1(1892.52,3840.55) C211.1@1892.52,3899.61 ; v1(2207.48,2659.45) 2207.48,2620.08 C302.1@2215.35,2612.2 ; v1(2216.54,5554.53) 2216.54,5539.57 2234.25,5521.85 C63.1@2234.25,5499.41 ; v1(2522.44,2974.41) 2542.13,2994.09 C204.1@2561.81,2994.09 ; v1(2522.44,3131.89) 2532.28,3122.05 C231.1@2551.97,3122.05 ; v1(2601.18,2994.09) C421.1@2640.55,2994.09 ; v1(2601.18,3505.91) C401.1@2640.55,3505.91 ; v1(2635.63,3131.89) v1@2640.55,3131.89 ; v1(2635.63,3250) v1@2640.55,3250 ; v1(2660.24,3761.81) C212.1@2695.67,3761.81 ; v1(2857.09,2738.19) C224.1@2892.52,2738.19 ; v1(2857.09,2816.93) C244.1@2892.52,2816.93 ; v1(2857.09,2895.67) C233.1@2892.52,2895.67 ; v1(2857.09,3604.33) C205.1@2892.52,3604.33 ; v1(2857.09,3683.07) C255.1@2892.52,3683.07 ; v1(2857.09,3761.81) C254.1@2892.52,3761.81 ; C83.1@3287.4,5609.65 3287.4,5593.9 3316.93,5564.37 v1(3316.93,5541.54) ; C62.1@3444.88,5656.89 3444.88,5689.17 3467.72,5712.01 v1(3484.25,5712.01) ; v1(3769.69,5328.15) 3769.69,5344.69 3782.68,5357.68 R19.1@3812.99,5357.68 ; C23.1@3875.98,5436.42 3930.32,5436.42 3937.01,5443.11 v1(3937.01,5456.1)
  Bottom Layer w19: v1(1301.97,4234.25) 1301.97,4194.88 1341.34,4155.51 1341.34,4139.76 1380.71,4179.13 v1(1380.71,4234.25) ; C332.1@1418.11,3250 v1(1479.13,3250) ; v1(1636.61,4234.25) 1636.61,4198.82 C411.1@1675.98,4159.45 ; C411.1@1675.98,4175.2 1675.98,4214.57 v1(1675.98,4234.25) ; v1(2305.91,2226.38) 2305.91,2281.5 2345.28,2320.87 2345.28,2305.12 2384.65,2265.75 v1(2384.65,2226.38) ; v1(2502.76,2226.38) 2502.76,2281.5 2542.13,2320.87 2542.13,2305.12 2581.5,2265.75 v1(2581.5,2226.38) ; v1(2601.18,2836.61) C451.1@2664.17,2836.61 ; C421.1@2640.55,2994.09 C421.1@2664.17,2994.09 ; v1@2640.55,3131.89 C342.1@2681.89,3131.89 ; v1@2640.55,3250 C322.1@2681.89,3250 ; C401.1@2640.55,3505.91 C401.1@2664.17,3505.91 ; v1(2699.61,2226.38) 2699.61,2281.5 2738.98,2320.87 2738.98,2305.12 2778.35,2265.75 v1(2778.35,2226.38)
  Bottom Layer w20: C140.1@2168.11,4187.01 v1(2168.11,4234.25)
  other v1: 1833.46,2344.49 3850.79,2716.73 3880.32,2716.73 3909.84,2716.73 3850.79,2746.26 3880.32,2746.26 3909.84,2746.26 967.32,2974.41 1174.02,3013.78 1252.76,3013.78 967.32,3053.15 977.17,3131.89 967.32,3368.11 967.32,3427.16 160.63,3782.87 190.16,3782.87 219.69,3782.87 160.63,3812.4 190.16,3812.4 219.69,3812.4 1563.39,4787.4 1592.91,4787.4 1563.39,4816.93 1592.91,4816.93 1563.39,4846.46 1592.91,4846.46
  other v3: 1131.89,5374.21 1131.89,5630.12
+3V3/2: C13.1 R13.2 R15.1 U15.1 | length 520.9
  Top Layer w10: v1(3612.2,5771.06) 3625,5758.27 U15.1@3695.87,5758.27
  Bottom Layer w10: C13.1@3641.73,5767.91 3615.35,5767.91 v1(3612.2,5771.06) 3612.2,5826.97 3631.89,5846.65 3848.43,5846.65 R13.2@3877.95,5817.13 R15.1@3937.01,5817.13
+VCORE: C11.1 C15.1 C123.1 C124.1 C125.1 C129.1 C130.1 C131.1 C136.1 C137.1 C138.1 C142.1 C143.1 C144.1 CT7.1 CT8.1 CT9.1 CT10.1 CT11.1 CT12.1 R11.1 U9.2 U9.3 U15.3 VCORE.1 XP1.C2 XP1.C20 XP1.C39 XP1.D2 XP1.D39 XP2.A2 XP2.A39 XP2.B2 XP2.B20 XP2.B39 XP3.C2 XP3.C20 XP3.C39 XP3.D2 XP3.D39 XP4.A2 XP4.A39 XP4.B2 XP4.B20 XP4.B39 | length 2396.4
  Top Layer w10: R11.1@2375.2,5023.62 R11.1@2375.2,5025.98 ; v1(3612.2,5702.17) 3617.13,5707.09 U15.3@3695.87,5707.09
  Top Layer w15: R11.1@2385.04,5023.62 2427.24,4970.87 2446.06,4947.34 C11.1@2454.02,4937.4 ; C11.1@2471.65,4937.4 C11.1@2454.02,4937.4 ; 2497.24,4935.04 C11.1@2455.91,4935.04 C11.1@2454.02,4937.4 ; U9.3@2601.18,4941.93 2526.77,4941.93 2526.77,4986.61 2532.09,4991.93 U9.2@2601.18,4991.93
  Top Layer w20: v3(927.95,2344.49) 927.95,2332.68 C124.1@955.51,2305.12 ; v1(1016.54,4214.57) 1016.54,4157.48 C142.1@1018.5,4155.51 ; C129.1@1095.28,4165.35 v1(1095.28,4214.57) ; C125.1@1156.3,2305.12 v3(1203.54,2305.12) ; v3(2896.46,2305.12) C136.1@2943.7,2305.12 ; C131.1@2943.7,4155.51 2945.67,4157.48 v1(2945.67,4214.57) ; v1(3142.52,4214.57) 3142.52,4157.48 C138.1@3144.49,4155.51 ; C144.1@3144.49,2305.12 v3(3191.73,2305.12)
  Bottom Layer w10: v1@3615.35,5699.02 v1(3612.2,5702.17) 3621.36,5711.32 C15.1@3651.58,5711.32
  Bottom Layer w15: v1(2837.4,3295.28) C137.1@2884.65,3295.28
  Bottom Layer w19: v1(1301.97,2226.38) 1301.97,2281.5 1341.34,2320.87 1341.34,2305.12 1380.71,2265.75 v1(1380.71,2226.38) ; v1(1498.82,2226.38) 1498.82,2281.5 1538.19,2320.87 1538.19,2305.12 1577.56,2265.75 v1(1577.56,2226.38) ; v1(1498.82,4234.25) 1498.82,4194.88 1538.19,4155.51 1538.19,4139.76 1577.56,4179.13 v1(1577.56,4234.25) ; v1(2305.91,4234.25) 2305.91,4194.88 2345.28,4155.51 2345.28,4139.76 2384.65,4179.13 v1(2384.65,4234.25) ; v1(2502.76,4234.25) 2502.76,4194.88 2542.13,4155.51 2542.13,4139.76 2581.5,4179.13 v1(2581.5,4234.25) ; v1(2699.61,4234.25) 2699.61,4194.88 2738.98,4155.51 2738.98,4139.76 2778.35,4179.13 v1(2778.35,4234.25)
  Bottom Layer w20: C143.1@1931.89,4187.01 v1(1931.89,4234.25) ; C130.1@2050,4187.01 v1(2050,4234.25)
  other v1: 1075.59,3131.89 2507.09,4937.4 2536.61,4937.4 2507.09,4966.93 2536.61,4966.93 2507.09,4996.46 2536.61,4996.46
  other v4: 367.32,5800.39